# Altium PCB Mainboard_V1.0.PcbDoc (part 3 of 4)
Units mm, origin at the board's own origin, x right, y up, seen from the top; angles counter-clockwise.
Board outline 150 x 150 mm, 4 copper layers (Top Layer, Mid-Layer 1, Mid-Layer 2, Bottom Layer), stack 1.58 mm thick; 217 components, 154 nets, 806 pads, 700 vias.
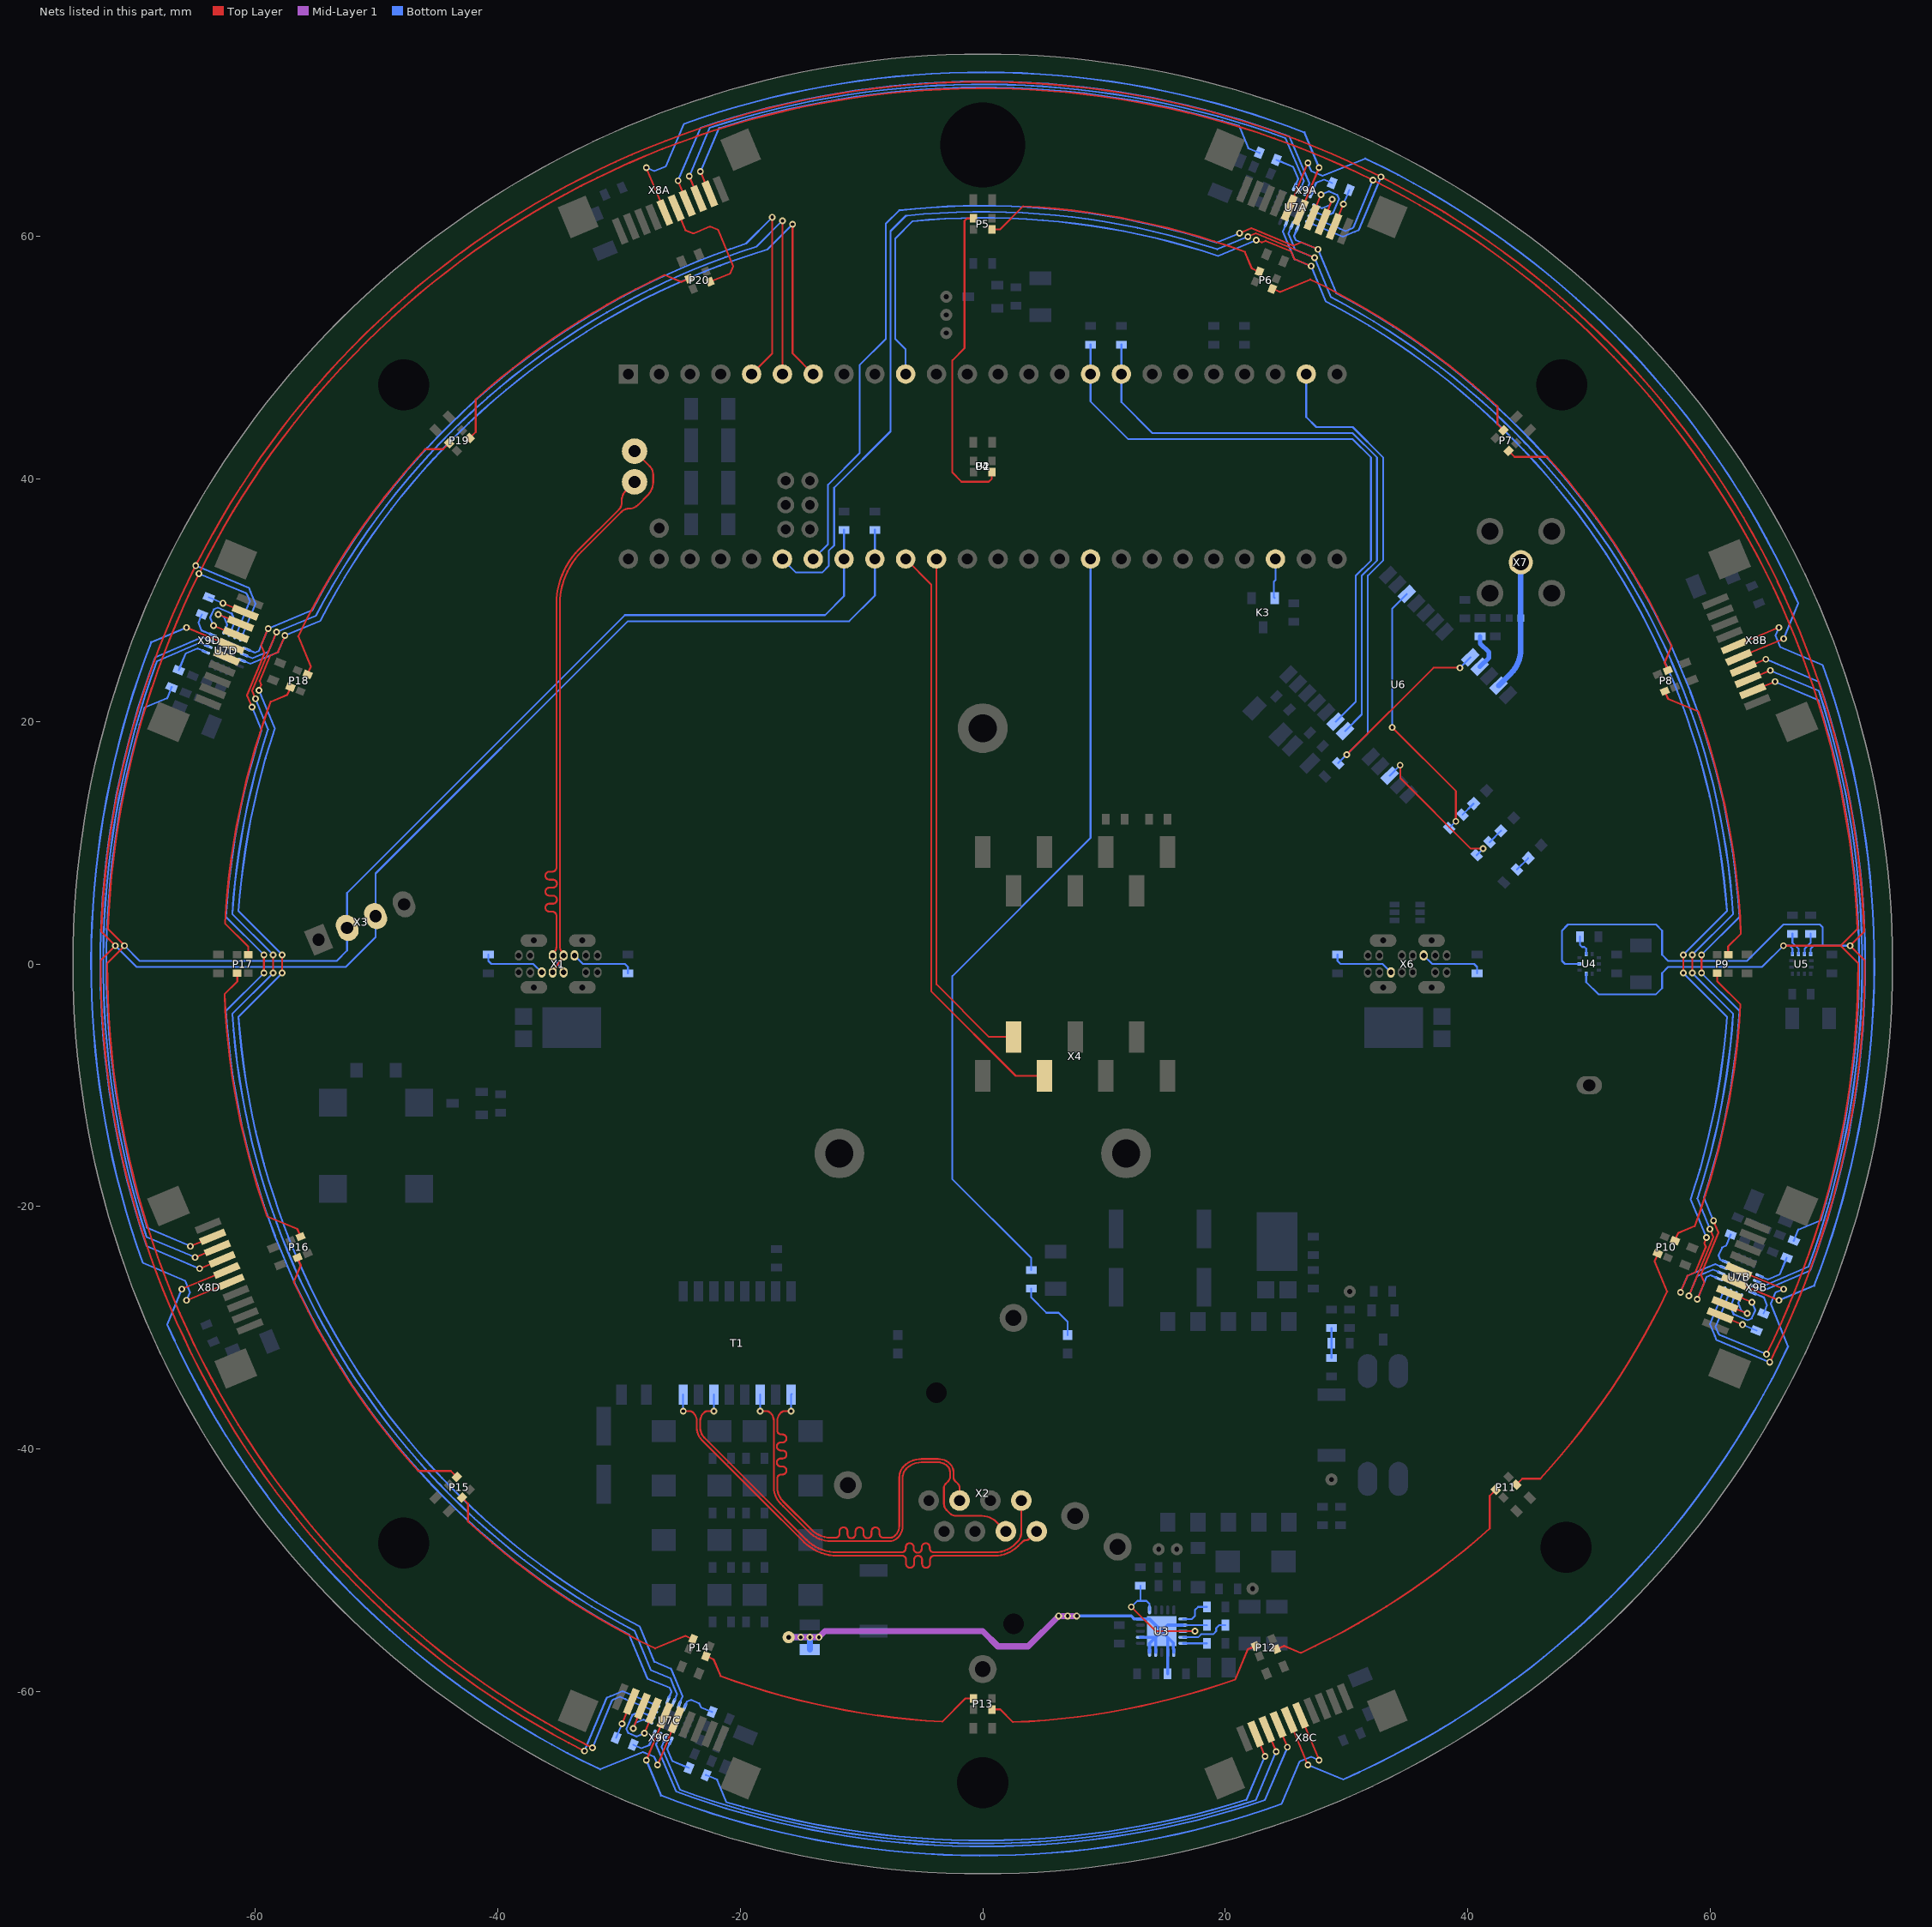
[diagram p5: the nets of this part, all layers, seen from the top]

## Via types
v1: diameter 0.55, hole 0.3, Top Layer to Bottom Layer, tented both sides, 652 vias
v2: diameter 0.55, hole 0.3, Top Layer to Bottom Layer, tented top, 48 vias

## Nets (pads, with @x,y where several pads share a name; then routed paths per layer and width w, separated by ;. In a path a pad name is that pad's centre, name@x,y a point inside that pad or via, vN(x,y) a via of type N, cw(c..) or ccw(c..) an arc to the next point about the centre after c; other vN are vias at no path point) (continued)
NetL2_2: L2.2 R20.2 R21.2 TP9.1 U3.7 U3.11 U3.12 U3.14 U3.15 U3.17 U3.20 U3.PAD | length 51.8
  Mid-Layer 1 w0.508: TP9.1@-16,-55.5 v1(-15,-55.5) v1(-14.25,-55.5) v1(-13.5,-55.5) -13,-55 0,-55 1.25,-56.25 3.75,-56.25 v1(6.25,-53.75) v1(7,-53.75) v1(7.75,-53.75)
  Bottom Layer w0.152: U3.7@16.5,-54.5 R21.2@18.488,-54.5
  Bottom Layer w0.254: v1(6.25,-53.75) v1(7,-53.75) v1(7.75,-53.75) 12.25,-53.75 12.5,-54 U3.20@13,-54 13.75,-54 U3.PAD@14.75,-55 ; U3.17@13,-55.5 U3.PAD@14.25,-55.5 ; U3.15@13.75,-56.75 13.75,-56 U3.PAD@14.25,-55.5 ; U3.14@14.25,-56.75 U3.PAD@14.25,-55.5 ; R20.2@15.238,-58.5 15.25,-58.488 U3.12@15.25,-56.75 U3.PAD@15.25,-55.5 ; U3.11@15.75,-56.75 15.75,-56.504 15.707,-56.461 15.707,-55.957 U3.PAD@15.25,-55.5 ; U3.7@16.5,-54.5 15.25,-54.5 U3.PAD@14.75,-55 ; U3.PAD@14.25,-55.5 U3.PAD@14.75,-55 ; U3.PAD@14.75,-55 U3.PAD@15.25,-55.5
  Bottom Layer w0.508: TP9.1@-16,-55.5 v1(-15,-55.5) v1(-14.25,-55.5) ; L2.2@-14.25,-56.516 v1(-14.25,-55.5) ; v1(-13.5,-55.5) v1(-14.25,-55.5)
NetL4_2: L4.2 U6.11 X7.1 | length 10.8
  Bottom Layer w0.457: U6.11@42.533,22.939 43.506,23.912 ccw(c41.456,25.962) 44.355,25.962 L4.2@44.355,28.5 X7.1@44.355,33.105
NetP2_A: P2.A R5.2 | length 5.7
  Bottom Layer w0.152: R5.2@4,-26.762 4,-27.5 5.25,-28.75 6.25,-28.75 7,-29.5 P2.A@7,-30.6
NetP3_A: P3.A R8.1 | length 1.3
  Bottom Layer w0.152: R8.1@44.039,7.789 P3.A@44.97,8.72
NetP4_2: P4.2 P5.4 | length 26.2
  Top Layer w0.152: P5.4@-0.75,61.45 -1.3,61.45 -1.5,61.25 -1.5,50.75 -2.5,49.75 -2.5,47.5 -2.5,40.5 -1.75,39.75 0.5,39.75 0.75,40 P4.2@0.75,40.55
NetP5_2: P5.2 P6.4 | length 24.5
  Top Layer w0.152: P5.2@0.769,60.555 1.445,60.555 3.35,62.46 cw(c0,0) 21.608,58.699 22.179,57.321 P6.4@22.803,57.062 ; P6.4@22.593,57.09 P6.4@22.803,57.062 ; P6.4@22.823,57.059 P6.4@22.803,57.062
NetP6_2: P6.2 P7.4 | length 24.5
  Top Layer w0.152: P6.2@23.884,55.651 24.508,55.393 26.997,56.424 cw(c0,0) 42.426,45.962 42.426,44.47 P7.4@42.904,43.992 ; P7.4@42.721,44.098 P7.4@42.904,43.992 ; P7.4@42.921,43.982 P7.4@42.904,43.992
NetP7_2: P7.2 P8.4 | length 24.2
  Top Layer w0.152: P7.2@43.363,42.275 43.841,41.797 46.535,41.797 cw(c0,0) 56.786,26.227 56.215,24.849 P8.4@56.473,24.225
NetP8_2: P8.2 P9.4 | length 24.5
  Top Layer w0.152: P8.2@56.24,22.463 56.499,21.839 58.988,20.808 cw(c0,0) 62.5,2.5 61.445,1.445 P9.4@61.445,0.769 ; P9.4@61.39,0.974 P9.4@61.445,0.769 ; P9.4@61.45,0.75 P9.4@61.445,0.769
NetP9_2: P9.2 P10.4 | length 24.5
  Top Layer w0.152: P10.4@57.059,-22.823 P10.4@57.062,-22.803 ; P10.4@57.09,-22.593 P10.4@57.062,-22.803 ; P9.2@60.555,-0.769 60.555,-1.445 62.46,-3.35 cw(c0,0) 58.699,-21.608 57.321,-22.179 P10.4@57.062,-22.803
NetP10_2: P10.2 P11.4 | length 24.5
  Top Layer w0.152: P11.4@43.982,-42.921 P11.4@43.992,-42.904 ; P11.4@44.098,-42.721 P11.4@43.992,-42.904 ; P10.2@55.651,-23.884 55.393,-24.508 56.424,-26.997 cw(c0,0) 45.962,-42.426 44.47,-42.426 P11.4@43.992,-42.904
NetP11_2: P11.2 P12.4 | length 24.2
  Top Layer w0.152: P12.4@24.225,-56.473 24.849,-56.215 26.227,-56.786 ccw(c0,0) 41.797,-46.535 41.797,-43.841 P11.2@42.275,-43.363
NetP12_2: P12.2 P13.4 | length 24.5
  Top Layer w0.152: P13.4@0.75,-61.45 P13.4@0.769,-61.445 ; P13.4@0.974,-61.39 P13.4@0.769,-61.445 ; P12.2@22.463,-56.24 21.839,-56.499 20.808,-58.988 cw(c0,0) 2.5,-62.5 1.445,-61.445 P13.4@0.769,-61.445
NetP13_2: P13.2 P14.4 | length 24.5
  Top Layer w0.152: P14.4@-22.823,-57.059 P14.4@-22.803,-57.062 ; P14.4@-22.593,-57.09 P14.4@-22.803,-57.062 ; P13.2@-0.769,-60.555 -1.445,-60.555 -3.35,-62.46 cw(c0,0) -21.608,-58.699 -22.179,-57.321 P14.4@-22.803,-57.062
NetP14_2: P14.2 P15.4 | length 24.5
  Top Layer w0.152: P15.4@-42.921,-43.982 P15.4@-42.904,-43.992 ; P15.4@-42.721,-44.098 P15.4@-42.904,-43.992 ; P14.2@-23.884,-55.651 -24.508,-55.393 -26.997,-56.424 cw(c0,0) -42.426,-45.962 -42.426,-44.47 P15.4@-42.904,-43.992
NetP15_2: P15.2 P16.4 | length 24.2
  Top Layer w0.152: P16.4@-56.473,-24.225 -56.215,-24.849 -56.786,-26.227 ccw(c0,0) -46.535,-41.797 -43.841,-41.797 P15.2@-43.363,-42.275
NetP16_2: P16.2 P17.4 | length 24.5
  Top Layer w0.152: P17.4@-61.45,-0.75 P17.4@-61.445,-0.769 ; P17.4@-61.39,-0.974 P17.4@-61.445,-0.769 ; P16.2@-56.24,-22.463 -56.499,-21.839 -58.988,-20.808 cw(c0,0) -62.5,-2.5 -61.445,-1.445 P17.4@-61.445,-0.769
NetP17_2: P17.2 P18.4 | length 24.5
  Top Layer w0.152: P17.2@-60.555,0.769 -60.555,1.445 -62.46,3.35 cw(c0,0) -58.699,21.608 -57.321,22.179 P18.4@-57.062,22.803 ; P18.4@-57.09,22.593 P18.4@-57.062,22.803 ; P18.4@-57.059,22.823 P18.4@-57.062,22.803
NetP18_2: P18.2 P19.4 | length 24.5
  Top Layer w0.152: P18.2@-55.651,23.884 -55.393,24.508 -56.424,26.997 cw(c0,0) -45.962,42.426 -44.47,42.426 P19.4@-43.992,42.904 ; P19.4@-44.098,42.721 P19.4@-43.992,42.904 ; P19.4@-43.982,42.921 P19.4@-43.992,42.904
NetP19_2: P19.2 P20.4 | length 24.2
  Top Layer w0.152: P19.2@-42.275,43.363 -41.797,43.841 -41.797,46.535 cw(c0,0) -26.227,56.786 -24.849,56.215 P20.4@-24.225,56.473
NetP20_2: P20.2 X8A.6 | length 10.6
  Top Layer w0.152: X8A.6@-25.274,62.322 -24.882,61.376 -24.508,60.474 -23.913,60.228 -23.912,60.227 ccw(c-23.855,60.369) -23.797,60.228 -22.469,60.778 -21.816,60.507 -20.572,57.505 -20.816,56.917 P20.2@-22.479,56.228
NetP21_A: P21.A R37.1 | length 1.3
  Bottom Layer w0.152: R37.1@39.539,12.289 P21.A@40.47,13.22
NetP22_A: P22.A R36.1 | length 1.3
  Bottom Layer w0.152: R36.1@41.789,10.039 P22.A@42.72,10.97
NetR1_2: R1.2 U7B.12 | length 2.9
  Bottom Layer w0.152: U7B.12@61.058,-24.48 U7B.12@61.261,-24.564 ; U7B.12@61.058,-24.48 60.801,-24.373 60.666,-24.046 60.953,-23.353 61.279,-23.218 61.565,-22.528 R1.2@61.658,-22.305
NetR2_1: R2.1 U7C.12 | length 2.9
  Bottom Layer w0.152: U7C.12@-24.564,-61.261 -24.48,-61.058 -24.373,-60.801 -24.046,-60.666 -23.353,-60.953 -23.218,-61.279 -22.528,-61.565 R2.1@-22.305,-61.658
NetR3_1: R3.1 X1.B5 | length 5.3
  Bottom Layer w0.152: R3.1@-40.75,0.762 -40.75,0.25 -40.5,0 -37.05,0 X1.B5@-36.35,-0.7
NetR4_1: R4.1 X1.A5 | length 5.3
  Bottom Layer w0.152: X1.A5@-33.65,0.7 -32.95,0 -29.5,0 -29.25,-0.25 R4.1@-29.25,-0.762
NetR5_1: R5.1 U2.33 | length 66
  Bottom Layer w0.152: R5.1@4,-25.238 4,-24.25 -2.5,-17.75 -2.5,-1 8.89,10.39 U2.33@8.89,33.38
NetR9_2: R9.2 U3.10 | length 2
  Bottom Layer w0.152: U3.10@16.5,-56 R9.2@18.488,-56
NetR10_2: R10.2 U3.6 | length 2.7
  Bottom Layer w0.152: U3.6@16.5,-54 17.25,-54 17.5,-53.75 17.5,-53.25 17.75,-53 R10.2@18.488,-53
NetR11_2: R11.2 R14.1 R15.2 | length 2.5
  Bottom Layer w0.152: R11.2@28.75,-32.488 R14.1@28.75,-30.012
NetR21_1: R21.1 U3.9 | length 4.1
  Bottom Layer w0.152: U3.9@16.5,-55.5 17.75,-55.5 18,-55.25 19,-55.25 19.25,-55 19.25,-54.75 19.5,-54.5 R21.1@20.012,-54.5
NetR22_1: R22.1 U3.1 U3.8 | length 10.6
  Top Layer w0.152: v1(12.25,-53) 14.25,-55 v1(17.5,-55)
  Bottom Layer w0.152: v1(12.25,-53) 12.75,-52.5 13,-52.5 ; R22.1@13,-51.262 13,-52.5 ; U3.1@13.75,-53.25 13.75,-52.75 13.5,-52.5 13,-52.5 ; U3.8@16.5,-55 v1(17.5,-55)
NetR26_1: R26.1 U4.6 | length 1.8
  Bottom Layer w0.152: R26.1@49.238,2.25 49.238,1.562 49.4,1.4 49.6,1.4 49.75,1.25 U4.6@49.75,0.8
NetR27_1: R27.1 U5.2 | length 1.9
  Bottom Layer w0.152: R27.1@66.75,2.488 66.75,1.75 67.25,1.25 U5.2@67.25,0.81
NetR28_1: R28.1 U5.3 | length 1.9
  Bottom Layer w0.152: U5.3@67.75,0.81 67.75,1.25 68.25,1.75 R28.1@68.25,2.488
NetR33_1: R33.1 U6.9 | length 3.1
  Bottom Layer w0.381: U6.9@40.977,24.495 41.733,25.25 41.733,25.685 41,26.418 R33.1@41,26.988
NetR34_1: R34.1 X6.B5 | length 5.3
  Bottom Layer w0.152: X6.B5@36.35,0.7 37.05,0 40.5,0 40.75,-0.25 R34.1@40.75,-0.762
NetR35_1: R35.1 X6.A5 | length 5.3
  Bottom Layer w0.152: R35.1@29.25,0.762 29.25,0.25 29.5,0 32.95,0 X6.A5@33.65,-0.7
NetR36_2: R36.2 U6.15 | length 12.3
  Top Layer w0.152: v1(34.414,16.375) 34.414,15.336 40.25,9.5 v1(41.25,9.5)
  Bottom Layer w0.152: U6.15@33.553,15.514 v1(34.414,16.375) ; R36.2@40.711,8.961 v1(41.25,9.5)
NetR37_2: R37.2 U6.3 | length 22.2
  Top Layer w0.152: v1(33.75,19.5) 39,14.25 v1(39,11.75)
  Bottom Layer w0.152: v1(33.75,19.5) 33.75,29.288 U6.3@34.967,30.505 ; R37.2@38.461,11.211 v1(39,11.75)
NetR38_1: R38.1 U2.23 U6.8 | length 51.5
  Top Layer w0.152: v1(30,17.25) 37.162,24.412 v1(39.338,24.412)
  Bottom Layer w0.152: U2.23@26.67,48.62 26.67,45.08 27.5,44.25 30.5,44.25 33,41.75 33,33.25 31.75,32 31.75,19 v1(30,17.25) R38.1@29.289,16.539 ; v1(39.338,24.412) U6.8@40.199,25.272
NetR41A_1: R41A.1 U7A.1 | length 3.3
  Bottom Layer w0.152: R41A.1@24.219,66.275 24.442,66.183 25.593,65.707 25.999,64.727 U7A.1@25.796,64.236 ; U7A.1@25.712,64.033 U7A.1@25.797,64.236
NetR41A_2: R41A.2 X8A.9 | length 52.4
  Top Layer w0.152: v1(-23.268,65.319) -22.894,64.415 X8A.9@-22.502,63.47
  Bottom Layer w0.152: v1(-23.268,65.319) -21.746,68.9 cw(c0,0) 21.13,69.091 21.627,67.892 21.898,67.238 22.588,66.951 R41A.2@22.811,66.86
NetR41B_1: R41B.1 U7B.1 | length 3.3
  Bottom Layer w0.152: U7B.1@64.033,-25.712 64.236,-25.797 64.727,-25.999 65.707,-25.593 66.183,-24.442 R41B.1@66.275,-24.219
NetR41B_2: R41B.2 X8B.9 | length 52.4
  Top Layer w0.152: X8B.9@63.47,22.502 64.415,22.894 v1(65.319,23.268)
  Bottom Layer w0.152: v1(65.319,23.268) 68.9,21.746 cw(c0,0) 69.091,-21.13 67.892,-21.627 67.238,-21.898 66.951,-22.588 R41B.2@66.858,-22.811
NetR41C_1: R41C.1 U7C.1 | length 3.3
  Bottom Layer w0.152: U7C.1@-25.712,-64.033 -25.797,-64.236 -25.999,-64.727 -25.593,-65.707 -24.442,-66.183 R41C.1@-24.219,-66.275
NetR41C_2: R41C.2 X8C.9 | length 52.4
  Top Layer w0.152: X8C.9@22.502,-63.47 22.894,-64.415 v1(23.268,-65.319)
  Bottom Layer w0.152: R41C.2@-22.811,-66.86 -22.588,-66.951 -21.898,-67.238 -21.627,-67.892 -21.13,-69.091 ccw(c0,0) 21.746,-68.9 v1(23.268,-65.319)
NetR41D_1: R41D.1 U7D.1 | length 3.3
  Bottom Layer w0.152: R41D.1@-66.275,24.219 -66.183,24.442 -65.707,25.593 -64.727,25.999 -64.236,25.796 U7D.1@-64.033,25.712
NetR41D_2: R41D.2 X8D.9 | length 52.4
  Top Layer w0.152: v1(-65.319,-23.268) -64.415,-22.894 X8D.9@-63.47,-22.502
  Bottom Layer w0.152: R41D.2@-66.86,22.811 -66.951,22.588 -67.238,21.898 -67.892,21.627 -69.091,21.13 ccw(c0,0) -68.9,-21.746 v1(-65.319,-23.268)
NetR42A_1: R42A.1 U7A.4 | length 2.4
  Bottom Layer w0.152: U7A.4@27.098,63.459 27.182,63.662 27.481,64.385 28.134,64.655 28.593,64.465 R42A.1@28.816,64.373
NetR42A_2: R42A.2 X9A.9 | length 3.3
  Top Layer w0.152: X9A.9@28.969,60.79 29.361,61.736 v1(29.734,62.639)
  Bottom Layer w0.152: v1(29.734,62.639) 30.08,63.451 R42A.2@30.224,63.789
NetR42B_1: R42B.1 U7B.4 | length 2.4
  Bottom Layer w0.152: U7B.4@63.459,-27.098 63.662,-27.182 64.385,-27.481 64.655,-28.134 64.465,-28.593 R42B.1@64.373,-28.816
NetR42B_2: R42B.2 X9B.9 | length 3.3
  Top Layer w0.152: X9B.9@60.791,-28.969 61.736,-29.361 v1(62.639,-29.734)
  Bottom Layer w0.152: v1(62.639,-29.734) 63.451,-30.08 R42B.2@63.789,-30.224
NetR42C_1: R42C.1 U7C.4 | length 2.4
  Bottom Layer w0.152: R42C.1@-28.816,-64.373 -28.593,-64.465 -28.134,-64.655 -27.481,-64.385 U7C.4@-27.182,-63.662 ; U7C.4@-27.182,-63.662 U7C.4@-27.098,-63.459
NetR42C_2: R42C.2 X9C.9 | length 3.3
  Top Layer w0.152: v1(-29.734,-62.639) -29.361,-61.736 X9C.9@-28.969,-60.79
  Bottom Layer w0.152: R42C.2@-30.224,-63.789 -30.08,-63.451 v1(-29.734,-62.639)
NetR42D_1: R42D.1 U7D.4 | length 2.4
  Bottom Layer w0.152: R42D.1@-64.373,28.816 -64.465,28.593 -64.655,28.134 -64.385,27.481 -63.662,27.182 U7D.4@-63.459,27.098
NetR42D_2: R42D.2 X9D.9 | length 3.3
  Top Layer w0.152: v1(-62.639,29.734) -61.736,29.361 X9D.9@-60.79,28.969
  Bottom Layer w0.152: R42D.2@-63.789,30.224 -63.451,30.08 v1(-62.639,29.734)
NetU7A_2: U7A.2 X8A.8 | length 59.3
  Top Layer w0.152: v1(-24.192,64.936) -23.818,64.033 X8A.8@-23.426,63.088
  Bottom Layer w0.152: v1(-24.192,64.936) -22.499,68.921 cw(c0,0) 24.952,68.071 ; 24.949,68.07 26.461,64.536 26.258,64.045 U7A.2@26.174,63.842
NetU7A_3: U7A.3 X8A.7 | length 60
  Top Layer w0.152: v1(-25.116,64.553) X8A.7@-24.742,63.65
  Bottom Layer w0.152: v1(-25.116,64.553) -23.255,68.933 cw(c0,0) 25.263,68.223 26.923,64.345 U7A.3@26.72,63.853
NetU7A_5: U7A.5 X9A.8 | length 3.7
  Top Layer w0.152: X9A.8@28.045,61.172 28.437,62.118 v1(28.811,63.022)
  Bottom Layer w0.152: U7A.5@27.504,62.481 U7A.5@27.708,62.395 ; U7A.5@27.708,62.395 27.966,62.289 28.619,62.56 v1(28.811,63.022)
NetU7A_6: U7A.6 X9A.7 | length 5.7
  Top Layer w0.152: X9A.7@27.513,62.501 v1(27.887,63.405)
  Bottom Layer w0.152: U7A.6@27.313,62.019 27.516,61.933 28.006,61.732 28.236,61.636 28.89,61.907 29.368,63.062 29.233,63.388 28.54,63.675 v1(27.887,63.405)
NetU7B_2: U7B.2 X8B.8 | length 59.3
  Top Layer w0.152: X8B.8@63.088,23.426 64.033,23.818 v1(64.936,24.192)
  Bottom Layer w0.152: U7B.2@63.842,-26.174 64.045,-26.259 64.536,-26.462 68.07,-24.949 ; v1(64.936,24.192) 68.921,22.499 cw(c0,0) 68.071,-24.952
NetU7B_3: U7B.3 X8B.7 | length 60
  Top Layer w0.152: X8B.7@63.65,24.742 v1(64.553,25.116)
  Bottom Layer w0.152: U7B.3@63.853,-26.72 64.345,-26.924 ; 64.345,-26.923 68.223,-25.263 ccw(c0,0) 68.933,23.255 v1(64.553,25.116)
NetU7B_5: U7B.5 X9B.8 | length 3.7
  Top Layer w0.152: X9B.8@61.172,-28.045 62.118,-28.437 v1(63.022,-28.811)
  Bottom Layer w0.152: U7B.5@62.481,-27.504 62.395,-27.708 62.289,-27.966 62.56,-28.619 v1(63.022,-28.811)
NetU7B_6: U7B.6 X9B.7 | length 5.7
  Top Layer w0.152: X9B.7@62.501,-27.513 v1(63.405,-27.887)
  Bottom Layer w0.152: U7B.6@61.933,-27.516 U7B.6@62.017,-27.313 ; U7B.6@61.933,-27.516 61.732,-28.006 61.636,-28.236 61.907,-28.89 63.062,-29.368 63.388,-29.233 63.675,-28.54 v1(63.405,-27.887)
NetU7C_2: U7C.2 X8C.8 | length 59.3
  Top Layer w0.152: X8C.8@23.426,-63.087 23.818,-64.033 v1(24.192,-64.936)
  Bottom Layer w0.152: -26.462,-64.536 -26.258,-64.045 U7C.2@-26.174,-63.842 ; -26.461,-64.536 -24.949,-68.07 ; -24.952,-68.071 ccw(c0,0) 22.499,-68.921 v1(24.192,-64.936)
NetU7C_3: U7C.3 X8C.7 | length 60
  Top Layer w0.152: X8C.7@24.742,-63.65 v1(25.116,-64.553)
  Bottom Layer w0.152: U7C.3@-26.72,-63.853 -26.924,-64.345 -25.263,-68.223 ccw(c0,0) 23.255,-68.933 v1(25.116,-64.553)
NetU7C_5: U7C.5 X9C.8 | length 3.7
  Top Layer w0.152: v1(-28.811,-63.022) -28.437,-62.118 X9C.8@-28.045,-61.172
  Bottom Layer w0.152: v1(-28.811,-63.022) -28.619,-62.56 -27.966,-62.289 -27.708,-62.395 U7C.5@-27.504,-62.479
NetU7C_6: U7C.6 X9C.7 | length 5.7
  Top Layer w0.152: v1(-27.887,-63.405) X9C.7@-27.513,-62.501
  Bottom Layer w0.152: v1(-27.887,-63.405) -28.54,-63.675 -29.233,-63.388 -29.368,-63.062 -28.89,-61.907 -28.236,-61.636 -28.006,-61.732 -27.516,-61.933 U7C.6@-27.313,-62.017
NetU7D_2: U7D.2 X8D.8 | length 59.3
  Top Layer w0.152: v1(-64.936,-24.192) -64.033,-23.818 X8D.8@-63.088,-23.426
  Bottom Layer w0.152: -68.071,24.952 ccw(c0,0) -68.921,-22.499 v1(-64.936,-24.192) ; -68.07,24.949 -64.536,26.461 ; -64.536,26.462 -64.045,26.258 U7D.2@-63.842,26.174
NetU7D_3: U7D.3 X8D.7 | length 60
  Top Layer w0.152: v1(-64.553,-25.116) X8D.7@-63.65,-24.742
  Bottom Layer w0.152: v1(-64.553,-25.116) -68.933,-23.255 cw(c0,0) -68.223,25.263 -64.345,26.923 ; -64.345,26.924 U7D.3@-63.853,26.72
NetU7D_5: U7D.5 X9D.8 | length 3.7
  Top Layer w0.152: v1(-63.022,28.811) -62.118,28.437 X9D.8@-61.172,28.045
  Bottom Layer w0.152: v1(-63.022,28.811) -62.56,28.619 -62.289,27.966 U7D.5@-62.395,27.708 ; U7D.5@-62.479,27.504 U7D.5@-62.395,27.708
NetU7D_6: U7D.6 X9D.7 | length 5.7
  Top Layer w0.152: v1(-63.405,27.887) X9D.7@-62.501,27.513
  Bottom Layer w0.152: v1(-63.405,27.887) -63.675,28.54 -63.388,29.233 -63.062,29.368 -61.907,28.89 -61.636,28.236 -61.732,28.006 -61.933,27.516 U7D.6@-62.017,27.313
NetX8A_5: X8A.5 X9A.6 | length 67.9
  Top Layer w0.152: v1(-27.728,65.635) X8A.5@-26.589,62.885 ; X9A.6@26.198,61.938 26.589,62.884 v1(27.728,65.635)
  Bottom Layer w0.152: v1(-27.728,65.635) -27.083,65.361 -26.132,65.745 -24.644,69.245 cw(c0,0) 26.521,68.548 v1(27.728,65.635)
NetX8B_5: X8B.5 X9B.6 | length 67.9
  Top Layer w0.152: X9B.6@61.94,-26.197 62.884,-26.589 v1(65.635,-27.728) ; X8B.5@62.885,26.589 v1(65.635,27.728)
  Bottom Layer w0.152: v1(65.635,-27.728) 68.548,-26.521 ccw(c0,0) 69.245,24.644 65.745,26.132 65.361,27.083 v1(65.635,27.728)
NetX8B_6: X8B.6 X9A.5 | length 66.9
  Top Layer w0.152: X9A.5@25.665,63.266 v1@26.804,66.018 ; X8B.6@63.267,25.665 v1@66.017,26.805
  Bottom Layer w0.152: v1(26.804,66.018) 27.066,65.368 28.01,64.967 31.538,66.39 cw(c0,0) 67.224,29.718 v1(66.018,26.804)
NetX8C_5: X8C.5 X9C.6 | length 67.9
  Top Layer w0.152: v1(-27.728,-65.635) -26.589,-62.884 X9C.6@-26.198,-61.938 ; X8C.5@26.589,-62.885 v1@27.729,-65.635
  Bottom Layer w0.152: v1(-27.728,-65.635) -26.521,-68.548 ccw(c0,0) 24.644,-69.245 26.132,-65.745 27.083,-65.361 v1(27.728,-65.635)
NetX8C_6: X8C.6 X9B.5 | length 66.9
  Top Layer w0.152: X8C.6@25.665,-63.267 v1(26.804,-66.018) ; X9B.5@63.266,-25.665 v1(66.018,-26.804)
  Bottom Layer w0.152: v1(26.804,-66.018) 29.718,-67.224 ccw(c0,0) 66.39,-31.538 64.967,-28.01 65.368,-27.066 v1(66.018,-26.804)
NetX8D_5: X8D.5 X9D.6 | length 67.9
  Top Layer w0.152: v1(-65.635,-27.728) X8D.5@-62.885,-26.589 ; v1(-65.635,27.728) -62.884,26.589 X9D.6@-61.938,26.198
  Bottom Layer w0.152: v1(-65.635,-27.728) -65.361,-27.083 -65.745,-26.132 -69.245,-24.644 cw(c0,0) -68.548,26.521 v1(-65.635,27.728)
NetX8D_6: X8D.6 X9C.5 | length 66.9
  Top Layer w0.152: v1@-66.017,-26.805 X8D.6@-63.267,-25.665 ; v1(-26.804,-66.018) X9C.5@-25.665,-63.266
  Bottom Layer w0.152: v1(-66.018,-26.804) -67.224,-29.718 ccw(c0,0) -31.538,-66.39 -28.01,-64.967 -27.066,-65.368 v1(-26.804,-66.018)
NetX9D_5: X9D.5
RGB_LED: K3.S U2.27 | length 3.3
  Bottom Layer w0.152: K3.S@24.064,30.156 24,30.22 24,31.5 24.13,31.63 U2.27@24.13,33.38
RX_N: T1.9 X2.6 | length 40.1
  Top Layer w0.152: v1(-15.805,-36.86) -16.312,-36.86 ccw(c-16.312,-37.338) -16.65,-37 ccw(c-15.961,-37.689) -16.935,-37.689 -16.935,-37.969 -16.935,-38.454 ccw(c-16.605,-38.454) -16.605,-38.784 -16.507,-38.784 cw(c-16.507,-39.114) -16.507,-39.444 -16.643,-39.444 ccw(c-16.643,-39.775) -16.643,-40.105 -16.507,-40.105 cw(c-16.507,-40.435) -16.507,-40.765 -16.643,-40.765 ccw(c-16.643,-41.095) -16.643,-41.426 -16.507,-41.426 cw(c-16.507,-41.756) -16.507,-42.086 -16.605,-42.086 ccw(c-16.605,-42.416) -16.935,-42.416 -16.935,-43.153 ccw(c-15.337,-43.153) -16.467,-44.283 -14.125,-46.625 ccw(c-12.495,-44.995) -12.802,-47.28 ccw(c-12.495,-44.995) -12.726,-47.288 -12.495,-47.3 -12.14,-47.3 ccw(c-12.14,-46.97) -11.81,-46.97 -11.81,-46.768 cw(c-11.48,-46.768) -11.15,-46.768 -11.15,-47.008 ccw(c-10.82,-47.008) -10.489,-47.008 -10.489,-46.768 cw(c-10.159,-46.768) -9.829,-46.768 -9.829,-47.008 ccw(c-9.499,-47.008) -9.169,-47.008 -9.169,-46.768 cw(c-8.838,-46.768) -8.508,-46.768 -8.508,-46.97 ccw(c-8.178,-46.97) -8.178,-47.3 -7.683,-47.3 -7.518,-47.28 ccw(c-7.683,-46.617) -7.441,-47.256 ccw(c-7.683,-46.617) -7.2,-47.1 ccw(c-7.974,-46.326) -6.879,-46.326 -6.879,-42.324 cw(c-5.576,-42.324) -6.498,-41.402 cw(c-5.043,-42.857) -5.043,-40.8 -3.674,-40.8 cw(c-3.674,-42.174) -2.702,-41.202 cw(c-3.408,-41.908) -2.41,-41.908 -2.41,-42.275 ccw(c-1.892,-42.275) -2.259,-42.641 -2.041,-42.859 cw(c-2.383,-43.2) -1.9,-43.2 -1.9,-44.225 X2.6@-1.905,-44.23
  Bottom Layer w0.152: v1(-15.805,-36.86) T1.9@-15.805,-35.505 T1.9@-15.75,-35.45
RX_P: T1.11 X2.3 | length 39.8
  Top Layer w0.152: v1(-18.345,-36.86) -17.838,-36.86 cw(c-17.838,-37.338) -17.5,-37 cw(c-18.189,-37.689) -17.215,-37.689 -17.215,-43.153 ccw(c-15.337,-43.153) -16.665,-44.48 -16.448,-44.698 -14.323,-46.823 ccw(c-12.495,-44.995) -12.495,-47.579 -7.683,-47.579 ccw(c-7.683,-46.617) -7.002,-47.298 ccw(c-7.974,-46.326) -6.6,-46.326 -6.6,-42.324 cw(c-5.576,-42.324) -6.3,-41.6 cw(c-5.043,-42.857) -5.043,-41.079 -3.674,-41.079 cw(c-3.674,-42.174) -2.9,-41.4 cw(c-3.408,-41.908) -2.69,-41.908 -2.69,-42.275 cw(c-3.208,-42.275) -2.841,-42.641 -3.059,-42.859 ccw(c-2.717,-43.2) -3.2,-43.2 -3.2,-44.5 ccw(c-2.476,-44.5) -2.988,-45.012 -2.712,-45.288 ccw(c-2.2,-44.776) -2.2,-45.5 -0.059,-45.5 cw(c-0.059,-47.174) 1.125,-45.99 X2.3@1.905,-46.77